# KiCad board keyboard.kicad_pcb (continued)
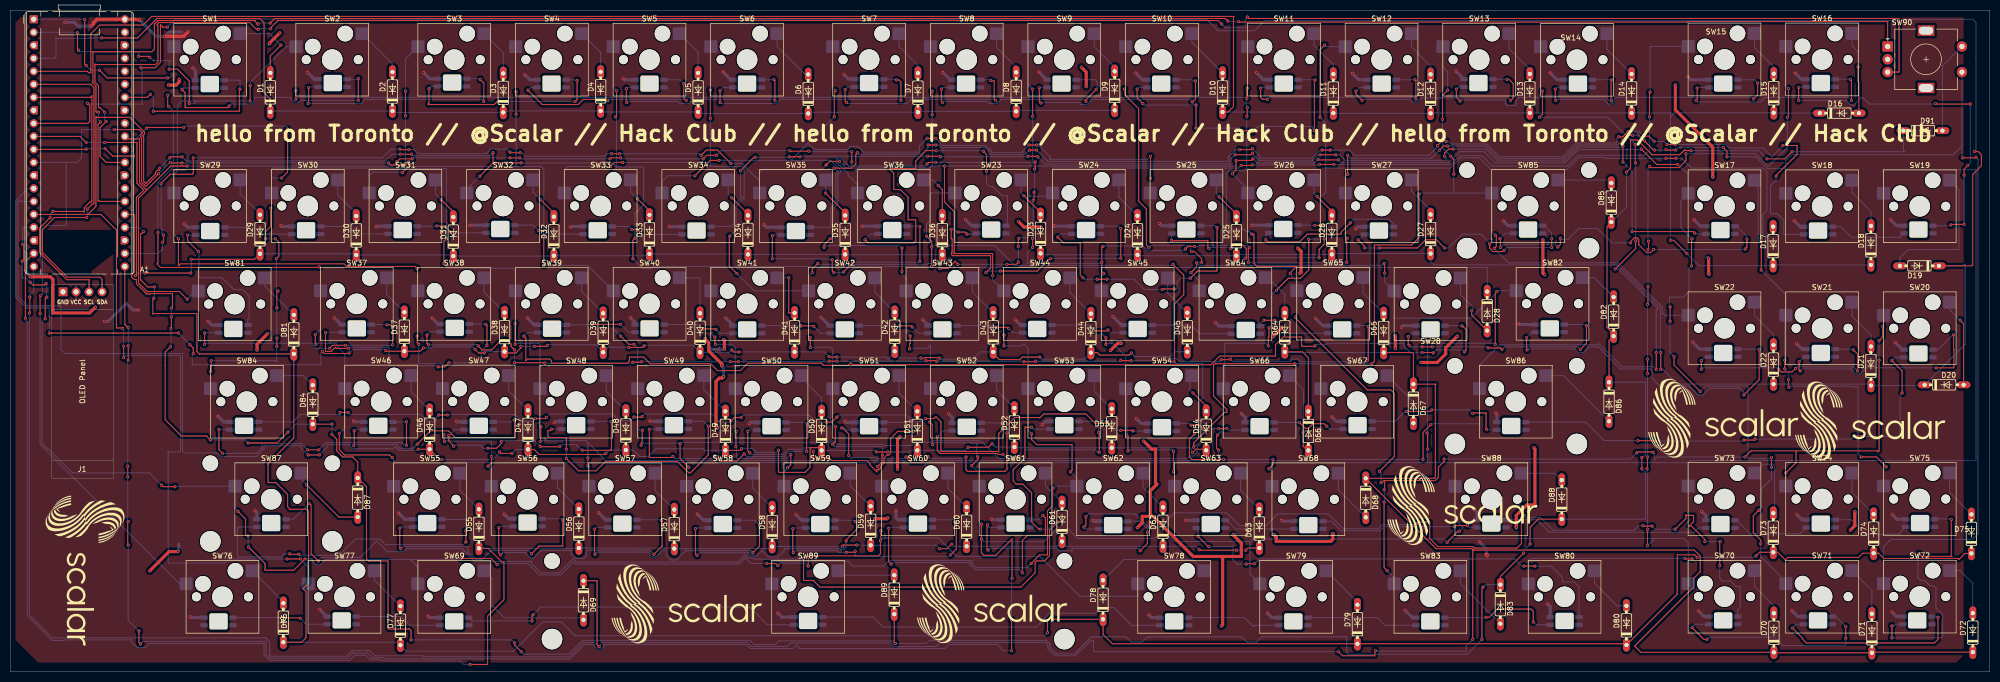
[diagram p0: board, top side]
## Routing (per net, layer and track width the routed paths; a pad name or vN(x,y) marks a point on that pad's centre or on a via; arc(x,y) is an arc through that point) (continued)
Column5: length 688.5
  Top w0.2: v1(240.22,98.83) 242.33,98.83 v1(242.42,98.92) ; v1(117.12,98.62) 117.92,99.42 v1(119.53,99.42) ; v1(255.53,99.03) v1(258.33,99.03) ; v1(155.72,20.62) 155.72,22.62 169.42,22.62 169.82,23.03 v1(169.82,25.62) 169.92,25.72 v1(169.92,27.53) ; v1(156.53,77.92) 156.53,78.62 v1(157.62,79.72) ; v1(44.43,31.32) 45.93,29.82 45.93,26.62 46.32,26.62 v1(46.43,26.53) ; v1(57.52,22.03) 55.32,19.82 49.73,19.82 49.73,21.12 v1(46.52,24.32) ; v1(161.09,47.84) 161.03,47.78 161.03,44.93 v1(160.53,44.43) ; v1(156.12,65.22) 156.12,63.31 v1(156.16,63.28) ; v1(3.88,76.05) 4.41,75.52 6.71,75.52 v1(6.99,75.78) ; v1(170.22,42.32) 170.12,42.22 170.12,40.93 v1(169.22,40.03) ; v1(319.93,108.33) 319.93,113.03 v1(320.03,113.12) ; v1(32.12,36.12) 29.83,36.12 v1(29.52,36.43) ; v1(6.83,68.93) 6.83,72.83 v1(7.12,73.12) ; v1(184.92,79.53) 184.92,79.62 184.42,80.12 183.03,78.72 v1(181.42,78.72) ; v1(136.62,113.53) v1(136.62,108.03) ; v1(141.82,77.72) 140.32,79.22 140.32,84.92 v1(140.42,85.03) ; v1(147.62,21.12) 149.42,21.12 v1(149.82,20.72) ; v1(95.03,20.92) 93.82,22.12 v1(87.93,22.12) ; v1(2.43,83.42) 2.62,83.22 2.62,80.43 v1(2.33,80.14) ; v1(196.72,83.03) 196.72,84.53 v1(196.82,84.62) ; v1(194.53,79.53) 196.32,79.53 v1(196.72,79.93)
  Bottom w0.2: v1(169.92,27.53) 170.06,27.66 170.06,39.19 v1(169.22,40.03) ; v1(2.33,80.14) 2.33,77.02 2.52,76.83 3.1,76.83 v1(3.88,76.05) ; v1(32.12,36.12) 32.22,36.22 SW87.1 43.85,31.9 v1(44.43,31.32) ; v1(156.12,65.22) 155.79,65.56 SW42.1 ; v1(181.42,78.72) 181.42,79.33 181.03,79.72 179.22,79.72 179.03,79.53 157.82,79.53 v1(157.62,79.72) ; v1(117.12,98.62) 108.82,98.62 108.12,97.92 108.14,97.91 SW33.1 ; SW6.1 136.62,121.94 v1(136.62,113.53) ; v1(140.42,85.03) 141.62,86.22 141.62,90.83 143.22,92.42 143.22,98.22 142.82,98.62 136.53,98.62 ; 136.53,98.62 135.72,99.42 v1(119.53,99.42) ; 136.53,98.62 136.62,98.72 v1(136.62,108.03) ; v1(156.16,63.28) 156.22,63.34 160.1,63.34 160.53,62.91 SW51.1 160.12,54.85 160.12,48.81 v1(161.09,47.84) ; SW42.1 145.19,74.36 v1(141.82,77.72) ; SW42.1 155.79,77.19 v1(156.53,77.92) ; 78.13,21.92 61.52,21.92 60.52,20.93 59.63,20.93 58.93,21.62 58.93,21.93 58.82,22.03 v1(57.52,22.03) ; 78.13,21.92 79.57,20.48 SW69.1 ; 78.13,21.92 87.72,21.92 v1(87.93,22.12) ; v1(240.22,98.83) 239.72,98.33 203.62,98.33 203.41,98.11 SW24.1 202.78,92.83 198.72,92.83 198.72,84.72 196.92,84.72 v1(196.82,84.62) ; v1(160.53,44.43) 160.97,43.97 170.22,43.97 v1(170.22,42.32) ; v1(29.52,36.43) 27.12,38.82 12.12,38.82 7.53,43.43 7.36,43.43 6.23,44.56 6.23,68.33 v1(6.83,68.93) ; v1(95.03,20.92) 95.22,21.12 101.03,21.12 103.22,18.92 107.42,18.92 109.89,21.39 110.26,21.02 142.22,21.02 143.44,22.24 144.56,21.12 v1(147.62,21.12) ; v1(46.43,26.53) 46.43,24.43 v1(46.52,24.32) ; v1(6.99,75.78) 7.12,75.64 v1(7.12,73.12) ; SW15.1 320.17,122.06 320.03,121.92 v1(320.03,113.12) ; v1(2.43,83.42) 2.43,86.73 A1.17 ; v1(169.82,25.62) 170.31,26.11 181.14,26.11 184.72,22.53 200.92,22.53 208.72,14.72 220.12,14.72 220.12,15.03 220.07,15.08 SW78.1 ; v1(255.53,99.03) 255.42,98.92 v1(242.42,98.92) ; v1(184.92,79.53) v1(194.53,79.53) ; v1(319.93,108.33) 319.93,101.83 318.93,100.83 306.03,100.83 303.93,98.72 289.23,98.72 287.22,100.73 282.86,100.73 281.16,99.03 v1(258.33,99.03) ; v1(155.72,20.62) 155.17,21.18 150.28,21.18 v1(149.82,20.72) ; v1(196.72,79.93) v1(196.72,83.03)
Column6: length 839.4
  Top w0.2: v1(319.43,39.62) 319.53,39.72 v1(319.53,41.93) ; v1(180.03,44.32) 179.92,44.43 179.92,48.26 v1(179.44,48.75) ; v1(195.42,4.12) v1(195.42,10.12) ; v1(175.5,63.03) 175.5,64 175.62,64.12 v1(175.62,65.53) ; v1(200.32,102.83) v1(198.82,102.83) ; v1(319.53,71.72) 319.62,71.82 v1(319.62,75.22) ; v1(327.03,101.12) 327.03,99.78 325.67,98.42 320.13,98.42 v1(319.93,98.62) 320.03,98.72 ; v1(222.53,96.33) v1(222.53,100.62) ; v1(319.53,27.82) v1(319.53,24.62) ; v1(161.03,113.42) 160.82,113.22 v1(160.82,108.33) ; v1(188.82,41.93) 188.82,41.43 v1(187.62,40.22) ; v1(23.02,67.22) 22.93,67.22 22.36,67.79 A1.21 ; v1(282.83,27.43) 282.53,27.43 280.43,25.32 v1(280.43,25.22) ; v1(22.93,40.12) v1(22.93,38.03) ; v1(189.56,28.79) 189.53,28.75 v1(189.53,25.93) 189.53,23.22 190.03,22.72 192.32,22.72 195.53,25.93 v1(195.53,18.22) ; v1(174.03,82.72) v1(174.03,78.12) ; v1(347.03,113.83) 347.03,108.42 v1(346.83,108.22) ; v1(319.62,82.42) 319.73,82.53 v1(319.73,84.03) ; v1(138.32,99.83) 136.62,99.83 v1(133.62,96.83) ; v1(160.03,84.53) 158.82,83.33 v1(158.82,82.83) ; v1(23.02,24.72) 22.93,24.82 22.93,29.22 v1(23.02,29.32) ; v1(180.62,104.12) v1(178.92,104.12) ; v1(319.53,61.03) v1(319.53,58.22) ; v1(25.43,5.43) 25.12,5.72 v1(25.12,7.93) ; v1(23.02,63.62) v1(23.02,60.82)
  Bottom w0.2: v1(319.43,39.62) 319.53,39.53 v1(319.53,27.82) ; v1(222.53,96.33) 222.47,96.27 SW25.1 ; v1(187.62,40.22) 189.11,38.74 SW61.1 189.11,29.25 v1(189.56,28.79) ; v1(327.03,101.12) 340.62,101.12 343.12,98.62 346.83,102.33 v1(346.83,108.22) ; SW79.1 241.92,19.12 241.92,25.32 ; v1(319.73,84.03) 319.62,84.12 319.62,98.33 v1(319.93,98.62) ; v1(174.03,78.12) 174.03,77.53 174.84,76.71 174.84,66.31 v1(175.62,65.53) ; v1(161.03,113.42) 160.53,113.92 SW7.1 ; 321.73,26.02 326.63,26.02 327.47,25.18 SW70.1 ; 321.73,26.02 320.92,26.02 v1(319.53,24.62) ; 321.73,26.02 281.22,26.02 v1(280.43,25.22) 279.73,25.93 245.12,25.93 244.62,26.42 243.04,26.42 241.94,25.32 241.92,25.32 ; v1(195.42,10.12) 195.42,18.12 v1(195.53,18.22) ; v1(347.03,113.83) 346.52,114.33 SW16.1 ; v1(22.93,38.03) 22.93,29.43 v1(23.02,29.32) ; v1(178.92,104.12) 177.42,102.62 177.42,101.43 166.53,101.43 165.43,102.53 163.82,102.53 163.82,102.22 163.53,101.93 156.92,101.93 155.67,103.17 ; v1(23.02,24.72) 23.02,10.03 v1(25.12,7.93) ; v1(200.32,102.83) 200.42,102.83 200.53,102.92 202.92,100.53 202.92,100.03 221.93,100.03 v1(222.53,100.62) ; v1(188.82,41.93) 188.62,42.12 188.62,44.42 188.92,44.72 180.42,44.72 v1(180.03,44.32) ; v1(319.62,82.42) v1(319.62,75.22) ; 241.92,25.32 241.92,25.42 227.12,25.42 225.72,26.82 224.12,26.82 223.32,26.02 208.31,26.02 206.61,27.72 204.04,27.72 201.71,25.4 190.06,25.4 v1(189.53,25.93) ; v1(180.62,104.12) 182.03,102.72 190.39,102.72 191.53,101.59 191.53,101.33 197.53,101.33 197.53,101.53 v1(198.82,102.83) ; v1(160.82,108.33) 155.67,103.17 ; 155.67,103.17 152.32,99.83 152.22,99.83 ; v1(23.02,67.22) v1(23.02,63.62) ; 152.22,99.83 160.12,99.83 162.22,97.72 161.53,97.03 161.53,91.33 160.53,90.33 160.53,85.03 v1(160.03,84.53) ; 152.22,99.83 v1(138.32,99.83) ; v1(133.62,96.83) 128.32,96.83 127.19,95.69 SW34.1 ; v1(195.42,4.12) 193.82,4.12 192.62,5.32 183.22,5.32 182.42,4.52 154.12,4.52 153.42,5.22 152.72,4.52 144.46,4.52 143.66,5.32 115.92,5.32 115.82,5.22 115.82,4.98 115.17,4.32 114.68,4.32 113.99,5.01 113.99,5.19 113.86,5.32 112.06,5.32 109.26,2.52 73.12,2.52 72.93,2.72 70.63,2.72 69.72,3.62 66.99,3.62 66.89,3.72 65.79,2.62 50.76,2.62 49.93,3.46 49.93,5.93 25.93,5.93 v1(25.43,5.43) ; v1(179.44,48.75) 179.59,48.88 SW52.1 179.59,63.76 178.97,63.15 175.5,63.15 v1(175.5,63.03) ; v1(22.93,40.12) 22.93,60.72 v1(23.02,60.82) ; v1(282.83,27.43) 283.53,28.12 281.98,29.67 SW88.1 ; v1(174.03,82.72) 173.53,83.22 159.22,83.22 v1(158.82,82.83) ; v1(319.53,58.22) v1(319.53,41.93) ; v1(319.53,71.72) v1(319.53,61.03)
Column7: length 697.4
  Top w0.2: v1(29.93,85.22) 29.93,84.03 v1(29.73,83.83) ; v1(199.32,46.43) 199.32,45.32 200.32,44.32 207.22,44.32 207.22,39.32 v1(206.92,39.03) ; v1(193.92,65.72) v1(193.92,63.62) ; v1(324.73,61.53) 324.73,59.82 v1(329.83,54.72) ; v1(182.32,98.72) 182.32,91.72 184.22,89.83 184.22,81.72 184.12,81.62 191.72,81.62 v1(191.72,77.33) ; v1(318.33,102.03) 321.33,99.03 v1(325.43,99.03) ; v1(118.92,101.12) v1(117.32,101.12) ; v1(341.62,24.97) 341.62,25.72 340.18,27.18 340.18,30.47 v1(341.25,31.53) ; v1(35.73,100.33) 35.73,97.33 35.52,97.12 31.23,97.12 29.43,95.33 v1(29.45,95.3) ; v1(259.23,99.92) 255.33,99.92 v1(255.22,100.03) ; v1(328.23,22.03) 326.93,22.03 v1(326.83,22.12) ; v1(328.12,79.22) 328.12,84.42 v1(328.23,84.53) ; v1(97.53,101.42) 97.62,101.33 v1(99.53,101.33) ; v1(343.73,41.82) v1(343.73,39.93) ; v1(77.82,101.92) 76.12,101.92 v1(76.03,102.03) ; v1(199.22,21.12) 200.92,22.82 202.42,22.82 202.42,31.43 203.42,32.43 203.42,35.72 v1(203.53,35.82) ; v1(323.93,71.22) v1(323.93,68.43) ; v1(242.53,100.12) 242.22,99.83 v1(239.22,99.83) 239.22,97.92 v1(238.53,97.22) ; v1(179.92,113.33) v1(179.92,108.72) ; v1(134.82,100.83) 135.82,101.83 138.03,101.83 v1(140.62,99.22) ; v1(161.82,99.62) 159.92,99.62 v1(159.22,98.92)
  Bottom w0.2: A1.22 28.86,81.66 29.52,82.33 29.73,82.33 v1(29.73,83.83) ; 341.73,22.43 341.73,22.22 341.23,21.72 328.53,21.72 v1(328.23,22.03) ; 341.73,22.43 346.52,17.63 SW71.1 ; 341.73,22.43 341.62,22.53 v1(341.62,24.97) ; v1(191.72,77.33) 191.72,76.52 SW44.1 193.89,65.76 v1(193.92,65.72) ; v1(179.92,113.33) 179.58,113.67 SW8.1 ; v1(77.82,101.92) 78.83,101.92 79.62,101.13 92.93,101.13 93.62,101.83 93.62,102.03 96.93,102.03 v1(97.53,101.42) ; v1(206.92,39.03) 208.16,37.79 SW62.1 203.91,36.22 v1(203.53,35.82) ; 179.22,98.33 179.42,98.33 179.92,98.83 v1(179.92,108.72) ; 179.22,98.33 163.12,98.33 v1(161.82,99.62) ; 179.22,98.33 179.62,98.72 v1(182.32,98.72) 239.22,98.72 v1(239.22,99.83) ; v1(329.83,54.72) 330.85,55.75 339.12,55.75 339.12,41.72 339.23,41.62 343.53,41.62 v1(343.73,41.82) ; v1(324.73,61.53) 323.93,62.32 v1(323.93,68.43) ; v1(326.83,22.12) 296.73,22.12 296.23,21.62 296.27,21.58 SW80.1 ; v1(323.93,71.22) 323.83,71.32 323.83,73.12 326.53,73.12 327.62,74.22 327.62,78.72 v1(328.12,79.22) ; v1(193.92,63.62) 197.42,63.62 197.82,64.03 198.63,63.22 SW53.1 198.63,47.12 v1(199.32,46.43) ; v1(29.45,95.3) 29.45,86.5 29.62,86.33 29.62,85.53 v1(29.93,85.22) ; v1(318.33,102.03) 318.23,101.92 306.03,101.92 303.43,99.33 290.03,99.33 289.93,99.22 287.62,101.53 282.87,101.53 280.78,99.43 259.72,99.43 v1(259.23,99.92) ; v1(238.53,97.22) 241.52,94.23 SW26.1 ; v1(328.23,84.53) 326.03,86.72 326.03,91.95 SW17.1 327.47,97.37 327.53,97.42 327.03,97.42 v1(325.43,99.03) ; v1(343.73,39.93) 343.73,37.62 341.73,35.62 341.73,32.01 v1(341.25,31.53) ; v1(118.92,101.12) 134.53,101.12 v1(134.82,100.83) ; v1(242.53,100.12) 243.32,99.33 254.53,99.33 v1(255.22,100.03) ; v1(99.53,101.33) 99.82,101.33 100.53,100.62 115.92,100.62 116.42,101.12 v1(117.32,101.12) ; v1(159.22,98.92) 158.32,98.03 146.82,98.03 146.24,97.44 SW35.1 146.24,95.78 142.79,99.22 v1(140.62,99.22) ; v1(35.73,100.33) 72.63,100.33 74.32,102.03 v1(76.03,102.03) ; v1(199.22,21.12) 198.42,20.32 188.48,20.32 187.72,21.08 187.72,21.62 187.63,21.72 171.42,21.72 171.42,21.68 170.37,20.62 164.46,20.62 163.5,21.58 148.78,21.58 148.63,21.43 SW89.1
Column8: length 685
  Top w0.2: v1(199.53,84.62) v1(199.53,82.83) ; v1(260.93,84.62) 260.83,84.53 v1(260.83,79.93) ; v1(241.83,82.83) 241.62,82.62 v1(241.62,79.93) ; v1(227.03,43.03) v1(227.03,39.03) ; v1(99.43,100.33) v1(97.53,100.33) ; v1(34.52,98.72) 31.33,98.72 26.62,94.02 ; v1(152.12,101.72) 152.22,101.62 v1(155.82,101.62) ; v1(261.03,100.83) v1(261.03,97.12) ; v1(323.12,101.92) 323.23,101.83 v1(325.03,101.83) ; v1(75.43,99.53) 76.03,100.12 v1(78.43,100.12) ; v1(199.53,113.72) v1(199.53,108.42) ; v1(119.12,100.33) 117.22,100.33 v1(117.03,100.12) ; A1.31 22.85,104.03 25.25,104.03 25.23,104 25.23,95.42 26.62,94.02 ; 26.62,94.02 25.02,92.42 25.02,75.92 26.83,74.12 26.93,74.22 33.02,74.22 v1(34.52,72.72) ; v1(314.73,103.83) 315.62,104.72 v1(316.62,104.72) ; v1(218.12,43.12) 218.12,45.92 v1(217.92,46.12) ; v1(318.93,103.62) 320.73,101.83 v1(320.93,101.83) ; v1(229.32,82.53) 229.82,83.03 v1(231.12,83.03) ; v1(213.42,77.72) 213.03,78.12 v1(213.03,79.93) 213.03,82.83 v1(213.22,83.03) ; v1(280.53,102.62) 279.73,102.62 v1(278.93,101.83) ; v1(137.82,100.83) 135.92,100.83 v1(135.22,100.12) ; v1(199.92,98.12) 200.03,98.22 v1(200.03,99.53) ; v1(213.82,65.22) v1(213.82,63.92) ; v1(381.03,100.33) 383.53,100.33 v1(383.62,100.42) ; v1(199.62,92.03) 199.82,92.22 v1(199.82,93.62) ; v1(180.62,99.42) 179.22,99.42 v1(178.92,99.12) ; v1(334.33,102.33) 335.03,101.62 v1(335.03,100.53) ; v1(164.22,99.53) v1(164.22,101.53)
  Bottom w0.2: v1(260.83,79.93) 260.74,79.84 241.71,79.84 v1(241.62,79.93) ; v1(229.32,82.53) 229.02,82.22 221.98,82.22 221.08,83.12 213.22,83.12 ; v1(335.03,100.53) 340.66,100.53 342.96,98.22 346.12,98.22 346.52,98.62 ; v1(334.33,102.33) 325.53,102.33 v1(325.03,101.83) ; 199.53,99.22 199.82,99.53 v1(200.03,99.53) ; 199.53,99.22 199.32,99.42 v1(180.62,99.42) ; 199.53,99.22 v1(199.53,108.42) ; v1(213.42,77.72) 212.94,77.24 SW45.1 212.94,66.11 v1(213.82,65.22) ; 164.22,98.73 v1(164.22,99.53) ; 164.22,98.73 178.53,98.73 v1(178.92,99.12) ; 164.22,98.73 163.62,98.73 162.12,100.23 161.58,100.23 161.22,99.87 161.22,99.38 161.78,98.83 161.92,98.83 163.53,97.22 163.53,96.92 165.32,95.12 SW36.1 ; v1(227.03,39.03) 227.21,38.84 SW63.1 ; v1(155.82,101.62) 155.92,101.53 v1(164.22,101.53) ; v1(383.62,100.42) 384.03,100.02 384.03,41.83 384.03,26.93 382.93,25.82 367.03,25.82 365.58,24.38 SW72.1 ; v1(119.12,100.33) 119.32,100.12 v1(135.22,100.12) ; 380.9,102.83 380.9,100.45 v1(381.03,100.33) ; 380.9,102.83 380.9,102.59 379.23,100.92 347.62,100.92 346.52,99.82 346.52,98.62 ; 380.9,102.83 SW90.S1 ; v1(278.93,101.83) 277.33,100.23 261.62,100.23 v1(261.03,100.83) ; v1(318.93,103.62) 317.83,104.72 v1(316.62,104.72) ; v1(213.03,79.93) 212.83,79.73 198.53,79.73 198.53,81.83 v1(199.53,82.83) ; 346.52,98.62 SW18.1 ; v1(320.93,101.83) 323.03,101.83 v1(323.12,101.92) ; v1(261.03,97.12) 260.56,96.67 SW27.1 260.56,84.98 v1(260.93,84.62) ; v1(152.12,101.72) 138.72,101.72 v1(137.82,100.83) ; v1(231.12,83.03) 231.93,83.03 232.12,83.22 241.43,83.22 v1(241.83,82.83) ; v1(117.03,100.12) 99.62,100.12 v1(99.43,100.33) ; v1(199.82,93.62) 199.92,93.72 v1(199.92,98.12) ; v1(227.03,43.03) 226.92,43.12 226.92,43.31 218.32,43.31 v1(218.12,43.12) ; v1(199.53,84.62) 199.62,84.72 v1(199.62,92.03) ; v1(199.53,113.72) 198.63,114.62 SW9.1 ; v1(97.53,100.33) 78.62,100.33 v1(78.43,100.12) ; v1(34.52,72.72) 36.12,74.31 SW81.1 ; v1(34.52,98.72) 74.62,98.72 v1(75.43,99.53) ; v1(314.73,103.83) 313.73,102.83 305.79,102.83 303.09,100.13 290.49,100.13 287.99,102.62 v1(280.53,102.62) ; v1(213.82,63.92) 214.02,64.12 215.19,64.12 217.69,61.62 SW54.1 217.92,55.03 v1(217.92,46.12)
EC11A: length 397.3
  Top w0.2: v1(17.62,107.33) 17.13,106.83 17.13,91.92 17.33,91.92 17.44,91.81 A1.26 ; v1(50.73,126.62) 51.62,127.52 237.13,127.52 v1(237.62,127.03) ; v1(239.72,126.92) 239.83,126.83 327.23,126.83 327.33,126.92 366.43,126.92 366.4,126.89 SW90.A ; v1(48.32,126.42) 47.82,126.92 47.82,127.12 28.79,127.12 28.12,126.46 28.12,121.53 27.62,121.03 16.13,121.03 16.13,115.13 16.02,115.03 16.73,114.33 16.73,109.33 16.83,109.22 v1(17.23,109.22)
  Bottom w0.2: v1(17.23,109.22) 17.23,107.72 v1(17.62,107.33) ; v1(48.32,126.42) 48.52,126.62 v1(50.73,126.62) ; v1(239.72,126.92) 237.72,126.92 v1(237.62,127.03)
EC11B: length 401.8
  Top w0.2: v1(18.73,107.42) 17.53,106.23 17.53,100.62 18.72,99.44 A1.29 ; v1(241.42,127.83) 241.72,127.53 368.62,127.53 368.62,117.12 368.55,117.05 SW90.B ; v1(48.43,125.42) 48.02,125.42 46.73,126.72 28.96,126.72 28.59,126.36 28.83,126.12 28.83,119.03 28.33,118.53 16.53,118.53 16.53,118.62 16.53,115.09 17.23,114.39 17.23,110.12 17.52,110.12 v1(18.43,109.22) ; v1(50.82,125.53) 50.82,125.72 52.22,127.12 235.73,127.12 v1(236.42,126.42)
  Bottom w0.2: v1(18.43,109.22) 18.43,107.72 v1(18.73,107.42) ; v1(236.42,126.42) 237.12,125.72 241.12,125.72 241.12,127.53 v1(241.42,127.83) ; v1(50.82,125.53) 48.52,125.53 v1(48.43,125.42)
RGB: length 34.7
  Top w0.2: A1.34 26.73,112.14 v1(27.33,112.72) ; v1(27.93,109.42) 44.73,109.42 44.73,113.62 v1(44.82,113.72)
  Bottom w0.2: v1(27.33,112.72) 27.93,112.12 v1(27.93,109.42) ; LED1.4 44.77,115.47 44.82,115.42 v1(44.82,113.72)
ROW0: length 234.4
  Top w0.2: D1.1 50.74,111.81 49.52,113.03 49.52,126.72 48.73,127.52 28.62,127.52 24.83,123.72 v1(17.83,123.72)
  Bottom w0.2: D9.1 196.5,109.58 D8.1 177.31,109.39 D7.1 155.99,109.23 D6.1 134.54,108.98 D5.1 115.43,109.28 D4.1 96.52,109.48 96.22,109.18 74.87,109.18 D2.1 50.91,109.45 D1.1 ; v1(17.83,123.72) 15.33,123.72 15.23,123.62 9.12,123.62 8.93,123.83 8.93,120.03 8.66,119.75 A1.4
ROW1: length 446.7
  Top w0.2: D10.1 237.66,109.25 238.72,110.33 238.72,127.83 238.83,127.92 27.62,127.92 25.93,126.22 17.43,126.22 15.73,124.53 15.73,116.92 15.33,116.92 15.04,117.22 A1.5 ; v1(327.23,81.62) 324.62,84.22 v1(324.03,84.22)
  Bottom w0.2: v1(327.23,81.62) 329.58,79.28 D17.1 344.2,79.42 D18.1 ; v1(324.03,84.22) 324.03,108.33 ; 324.03,108.33 324.03,109.03 323.93,109.12 323.88,109.08 D14.1 D13.1 277.27,109.08 D12.1 258.27,109 D11.1 258.16,109.06 257.96,109.25 D10.1 ; 324.03,108.33 324.81,109.11 D15.1 344.23,109.05 D16.1
ROW2: length 681
  Top w0.2: A1.9 15.16,107.06 15.52,107.42 15.52,110.52 v1(15.09,110.95) ; v1(25.51,117.91) 28.27,117.91 29.32,118.95 29.32,126.31 29.31,126.32 29.8,125.83 v1(30.66,125.83) ; D19.1 382.75,79.23 382.85,79.33 383,79.33 383,97.08 384.7,98.78 384.7,100.94 384.1,101.55 v1(383.35,101.55) ; v1(322.12,62.32) v1(322.12,59.03)
  Bottom w0.2: v1(25.51,117.91) 25.72,117.69 25.72,110.81 15.23,110.81 v1(15.09,110.95) ; v1(30.66,125.83) 32.23,127.41 76.07,127.41 76.12,127.36 146.92,127.36 146.94,127.34 146.97,127.38 233.51,127.38 235.75,125.14 242.84,125.14 244.84,127.14 369.49,127.14 369.7,127.34 383,127.34 383.62,126.72 383.62,101.83 v1(383.35,101.55) ; D19.1 381.04,79.23 381.33,79.53 381.53,79.53 381.53,63.93 D20.1 373.48,55.88 D21.1 362.86,56.15 D22.1 325.4,56.15 322.53,59.03 v1(322.12,59.03) ; D23.1 201.34,81.39 D24.1 220.17,81.22 D25.1 239.54,81.47 D26.1 258.1,81.64 D27.1 277.2,80.06 277.83,79.42 313.62,79.42 322.03,71.03 322.03,62.43 v1(322.12,62.32)
ROW3: length 321.4
  Top w0.2: v1(24.43,77.33) 24.62,77.52 24.62,92.59 26.06,94.02 24.73,95.36 24.73,103.33 v1(18.43,103.33) ; v1(35.33,80.53) 47.68,80.53 D29.1 ; v1(35.23,77.83) v1(26.33,77.83) ; A1.10 13.63,104.52 v1(14.83,103.33)
  Bottom w0.2: v1(18.43,103.33) v1(14.83,103.33) ; 288.25,74.21 288.25,78.75 288.43,78.92 184.38,78.92 D36.1 163.22,81.42 163.16,81.47 D35.1 D34.1 143.88,81.56 D33.1 124.41,81.22 D32.1 106.02,81.14 D31.1 86.25,81.36 D30.1 67.29,81.59 D29.1 ; v1(35.23,77.83) 35.33,77.92 v1(35.33,80.53) ; v1(26.33,77.83) 24.93,77.83 v1(24.43,77.33)
ROW4: length 275.4
  Top w0.2: v1(35.05,63.85) 35.73,63.17 v1(35.73,62.12) ; v1(218.82,62.22) 218.42,61.82 212.62,61.82 212.16,62.29 D44.1 ; v1(90.72,62.93) 91.43,62.22 v1(92.53,62.22) ; v1(7.62,66.12) 31.33,66.12 31.33,66.13 v1(32.83,66.13) ; v1(60.94,62.51) 61.32,62.12 66.02,62.12 v1(66.12,62.22) ; v1(99.62,63.52) 99.62,63.18 98.67,62.22 96.74,62.22 D38.1 ; v1(120.72,63.32) 123.42,63.32 v1(123.72,63.62) ; v1(177.72,61.22) 177.82,61.12 178.28,61.12 178.48,61.33 181.25,61.33 v1(181.34,61.24) ; v1(140.82,62.82) 141.22,62.43 v1(142.22,62.43) ; v1(73.22,62.72) 73.38,62.56 D37.1 79.97,62.56 v1(80.62,63.22) ; v1(200.92,61.43) 197.53,61.43 197.03,60.93 193.03,60.93 191.84,62.1 D43.1 ; v1(104.82,63.72) 104.62,63.52 v1(102.32,63.52) ; v1(159.82,61.53) 159.92,61.43 v1(161.32,61.43)
  Bottom w0.2: v1(159.82,61.53) 158.91,62.44 D41.1 142.24,62.44 v1(142.22,62.43) ; v1(66.12,62.22) 66.82,62.92 73.03,62.92 v1(73.22,62.72) ; v1(123.72,63.62) 123.82,63.72 133.26,63.72 D40.1 140.36,62.37 v1(140.82,62.82) ; v1(200.92,61.43) 201.32,61.03 209.63,61.03 D44.1 ; v1(80.63,63.22) 82.12,63.22 82.32,63.42 90.23,63.42 v1(90.72,62.93) ; D38.1 92.79,62.49 v1(92.53,62.22) ; v1(35.73,62.12) 35.52,61.93 35.52,59.93 60.63,59.93 60.63,62.2 v1(60.94,62.51) ; v1(32.83,66.13) 35.05,63.91 v1(35.05,63.85) ; v1(120.72,63.32) 117.53,63.32 117.42,63.43 116.78,63.43 D39.1 115.72,62.43 114.32,63.82 104.93,63.82 v1(104.82,63.72) ; v1(161.32,61.43) 170.93,61.43 171.32,61.03 172.62,62.32 D42.1 172.62,62.13 173.53,61.22 v1(177.72,61.22) ; v1(7.62,66.12) 7.62,70.93 7.53,71.02 3.19,71.02 1.12,73.09 1.12,91.99 3.49,94.36 A1.14 ; v1(181.34,61.24) 181.55,61.03 187.82,61.03 189.24,62.44 D43.1 ; v1(102.32,63.52) v1(99.62,63.52) ; v1(218.82,62.22) 219.53,61.53 226.42,61.53 227.36,62.47 D45.1
ROW5: length 302.9
  Top w0.2: D49.1 142.41,43.22 v1(142.72,43.53) ; v1(60.32,42.32) v1(58.13,42.32) ; v1(230.73,42.78) 231.38,43.43 233.21,43.43 D54.1 ; v1(95.5,42.9) 95.78,42.62 v1(97.93,42.62) ; v1(191.62,44.53) 190.92,43.82 v1(186.92,43.82) ; v1(84.22,41.43) 83.86,41.43 D46.1 79.64,43.44 v1(79.62,43.43) ; D47.1 102.24,43.41 103.22,42.43 116.02,42.43 v1(116.22,42.63) ; v1(171.22,42.93) v1(169.03,42.93) ; D50.1 157.81,43.75 156.1,43.75 156.09,43.72 156.09,39.88 155.12,38.93 150.03,38.93 149.92,39.03 v1(149.92,43.22)
  Bottom w0.2: v1(97.93,42.62) 98.72,43.41 D47.1 ; v1(116.22,42.63) 116.88,43.29 D48.1 121.56,43.29 122.82,42.03 124.53,42.03 126.02,43.52 135.32,43.52 135.63,43.22 D49.1 ; v1(79.62,43.43) 79.42,43.22 75.82,43.22 75.12,43.92 74.73,43.52 66.78,43.52 66.32,43.97 66.32,44.32 61.79,44.32 61.79,43.79 v1(60.32,42.32) ; v1(191.62,44.53) 192.28,43.87 D52.1 196.12,43.72 D53.1 230.23,43.72 230.53,43.43 230.53,42.99 v1(230.73,42.78) ; v1(142.72,43.53) 142.82,43.62 144.82,43.62 145.42,43.03 145.42,42.83 149.53,42.83 v1(149.92,43.22) ; v1(171.22,42.93) 175.53,42.93 175.81,43.22 D51.1 186.31,43.22 v1(186.92,43.82) ; D50.1 168.75,43.21 v1(169.03,42.93) ; v1(95.5,42.9) 95.5,42.75 94.17,41.43 v1(84.22,41.43) ; v1(58.13,42.32) 56.69,43.76 56.69,44.09 56.56,44.09 56.53,44.12 49.53,44.12 49.53,43.52 48.02,42.02 41.12,42.02 40.33,42.82 40.23,42.72 33.98,42.72 33.62,43.08 33.62,62.12 10.66,62.12 9.9,62.89 9.9,71.35 9.83,71.42 3.36,71.42 1.52,73.26 1.52,91.82 1.83,92.12 2.14,91.81 A1.15
ROW6: length 350.5
  Top w0.2: A1.19 2.96,80.03 v1(2.96,69) ; v1(232.03,23.82) 232.12,23.72 v1(239.33,23.72) ; v1(162.42,24.53) 162.62,24.72 v1(165.22,24.72) ; v1(241.12,23.72) 241.54,24.14 D63.1 ; v1(89.72,1.43) 93.16,1.43 93.16,10.87 96.34,14.06 96.34,21.41 95.97,21.41 93.28,24.09 D55.1 ; v1(183.72,24.93) 182.82,24.03 v1(181.32,24.03)
  Bottom w0.2: v1(239.33,23.72) v1(241.12,23.72) ; v1(89.72,1.43) 88.47,1.43 87.77,2.12 72.53,2.12 72.32,2.32 70.25,2.32 69.34,3.22 67.21,3.22 66.21,2.22 50.59,2.22 49.52,3.29 49.52,5.52 27.19,5.52 26.41,4.74 24.73,4.74 23.73,5.74 23.73,6.22 10.55,6.22 10.43,6.09 8.19,6.09 3.32,10.96 3.32,68.3 2.96,68.66 v1(2.96,69) ; v1(165.22,24.72) 165.72,24.72 165.76,24.69 D59.1 180.66,24.69 v1(181.32,24.03) ; D55.1 110.92,24.09 D56.1 129.5,24.14 D57.1 148.29,24.04 D58.1 162.34,24.44 v1(162.42,24.53) ; v1(232.03,23.82) 231.36,24.49 D62.1 206.22,24.49 D61.1 204.33,24.49 D60.1 184.16,24.49 v1(183.72,24.93)
ROW7: length 644.3
  Top w0.2: D64.1 252.21,62.44 253.34,61.31 D66.1 ; 285.33,24.02 285.6,23.75 328.65,23.75 329.83,22.57 329.83,19.53 328.53,18.22 328.53,16.53 317.01,5.01 318.22,3.8 D70.1 344.3,3.7 D71.1 363.45,3.82 D72.1 ; 285.33,24.02 278.28,24.02 D68.1 277.96,37.76 278.12,37.93 278.12,56.03 278.24,56.13 D67.1 273.85,62.1 273.64,62.31 D65.1 ; 285.33,24.02 285.43,23.92 v1(285.43,6.32) ; D69.1 114.48,17.76 114.53,17.72 114.53,5.32 v1(114.92,4.93) ; v1(266.43,4.12) 266.33,4.03 266.33,3.12 260.03,3.12 v1(259.23,3.93) ; v1(3.83,73.12) 3.83,70.12 v1(3.73,70.03)
  Bottom w0.2: D65.1 248.87,62.31 D64.1 ; v1(285.43,6.32) 284.12,5.03 284.12,4.03 266.53,4.03 v1(266.43,4.12) ; v1(3.73,70.03) 3.73,11.12 8.23,6.62 49.82,6.62 50.63,5.82 50.63,3.32 50.93,3.03 51.63,3.03 55.96,3.02 65.62,3.02 66.72,4.12 70.13,4.12 71.12,3.12 80.43,3.12 80.62,2.93 109.09,2.93 111.89,5.72 114.03,5.72 114.82,4.93 v1(114.92,4.93) 115.72,5.72 143.83,5.72 144.63,4.92 151.62,4.92 152.32,5.62 172.06,5.62 172.06,5.34 172.48,4.92 180.72,4.92 181.53,5.72 202.06,5.72 202.49,5.29 202.49,4.59 203.96,3.12 207.89,3.12 210.89,6.12 211.42,6.12 211.42,3.93 v1(259.23,3.93) ; A1.20 4.58,74.28 3.83,73.53 v1(3.83,73.12)
ROW8: length 481.9
  Top w0.2: v1(28.12,75.12) 26.83,75.12 25.43,76.52 25.43,85.53 25.62,85.53 v1(26.02,85.92) ; v1(28.02,72.92) 27.83,72.72 27.83,69.82 27.93,69.93 36.43,69.93 36.43,62.53 36.93,62.03 36.94,62.04 D81.1 55.35,45.65 50.23,40.53 50.32,40.43 50.32,36.93 51.82,36.93 54.13,34.62 54.13,32.22 54.52,31.82 54.52,31.72 57.82,31.72 58.23,31.32 58.23,17.32 57.13,16.22 57.73,15.62 57.73,6.62 56.87,5.76 D76.1 ; D75.1 381.5,23.1 380.33,21.93 380.12,22.12 365.62,22.12 364.6,23.15 D74.1 361.55,23.15 360.73,22.32 346.93,22.32 346.43,21.82 344.93,23.32 D73.1 341.43,23.32 v1(340.73,22.62) ; v1(329.23,22.32) 328.73,22.82 325.33,22.82 325.33,15.15 D80.1 315.2,5.47 D79.1 215.09,5.47 213.27,7.28 D78.1 203.71,10.24 203.22,10.72 202.42,9.93 v1(202.42,7.62)
  Bottom w0.2: v1(28.12,75.12) 28.12,73.03 v1(28.02,72.92) ; v1(26.02,85.92) 25.22,86.73 A1.24 ; D76.1 75.57,5.76 D77.1 77.31,4.02 98.22,4.02 103.92,9.72 107.51,9.72 110.21,7.03 201.82,7.03 v1(202.42,7.62) ; v1(340.73,22.62) 340.43,22.32 v1(329.23,22.32)
ROW9: length 562.8
  Top w0.2: A1.25 24.11,89.28 24.22,89.17 24.22,78.03 23.72,77.52 23.72,77.06 24.22,76.56 24.62,76.56 24.62,75.75 26.65,73.72 27.25,73.72 27.34,73.82 31.66,73.82 31.66,71.18 v1(31.48,71) ; D89.1 172.52,5.73 v1(172.72,5.53) ; v1(342.83,100.12) 346.33,100.12 v1(347.73,101.53) ; v1(78.22,6.22) 78.22,8.03 77.82,8.43 77.72,8.32 73.93,8.32 73.72,8.53 73.72,21.62 69.93,21.62 69.53,22.03 69.53,36.1 D87.1 67.81,40.91 66.91,41.82 66.91,41.93 64.9,41.93 63.73,43.09 63.73,45.38 v1(62.77,46.34) ; v1(296.62,24.93) 296.62,28.22 298.19,29.79 D88.1 ; D84.1 62.75,48.33 v1(62.79,48.37) ; v1(295.33,23.12) 290.82,18.62 D83.1 ; v1(98.43,5.62) 98.43,5.22 v1(99.72,3.93) ; v1(287.23,6.32) 287.23,16.32 v1(287.43,16.53) ; v1(31.36,67.03) 31.45,67.12 v1(31.45,69.29) ; v1(39.05,45.26) 38.27,46.05 33.37,46.05 30.23,49.19 30.23,62.41 v1(31.27,63.44) ; v1(315.43,97.53) 316.23,98.33 316.23,103.83 317.53,103.83 320.43,100.92 325.83,100.92 326.83,101.92 327.03,101.72 v1(328.03,101.72) ; D85.1 311.62,86.94 311.62,67.22 312.92,65.93 D82.1 312.03,64.62 D86.1 ; v1(318.43,39.62) v1(318.43,41.82) ; v1(46.43,44.66) 52.05,44.66 v1(54.18,46.78)